# Altium PCB Hardware Fault Injector_RevA.PcbDoc (continued)
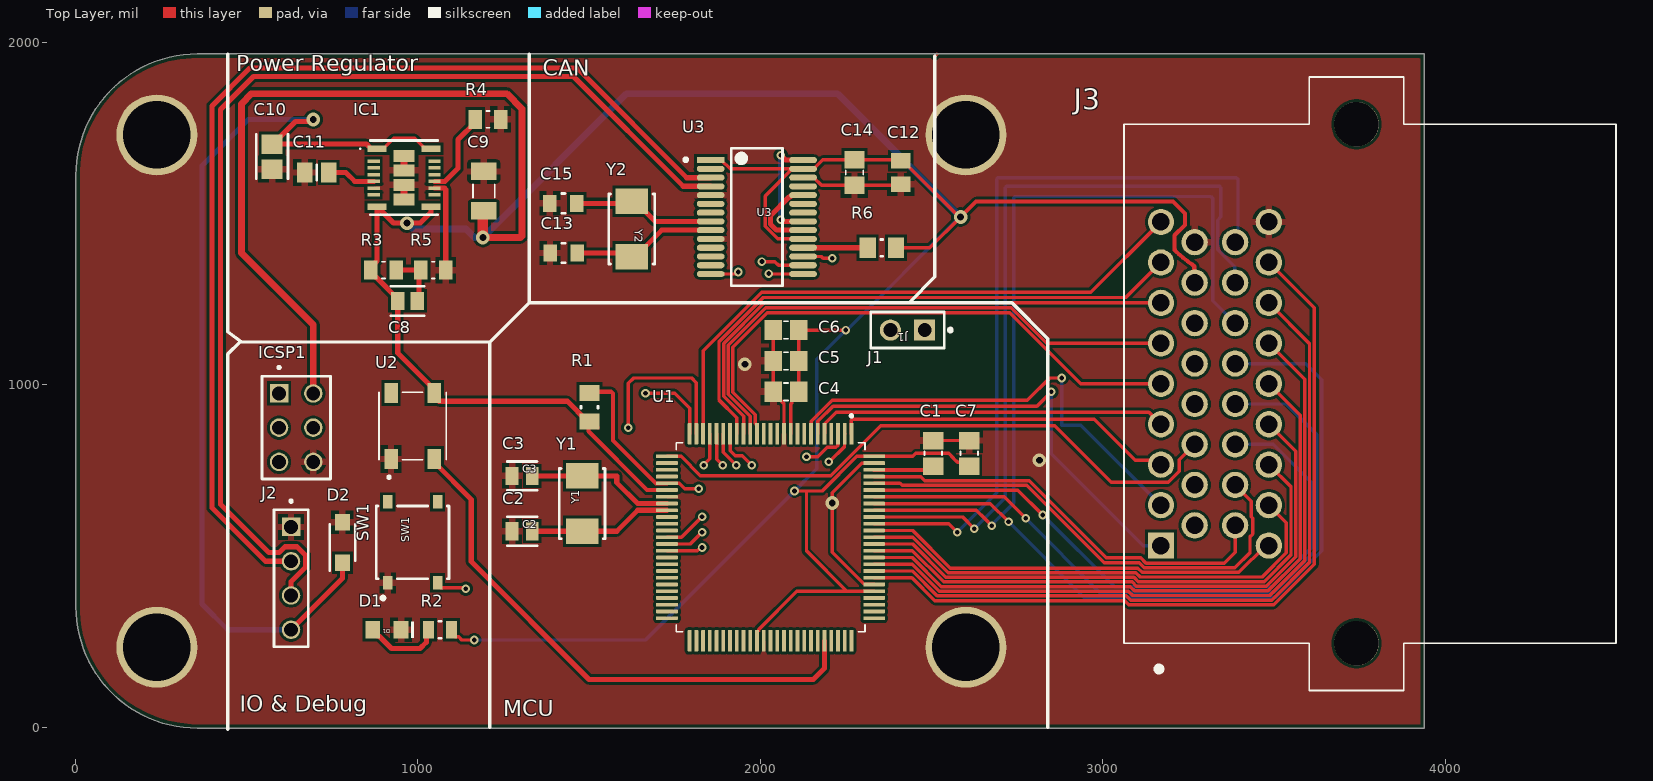
[diagram p0: Top Layer view]
## Part data
C1 C4 C5 C6 C7 C14: library part GCM21BR71H104KA37L, "CAP, MLCC, X7R, 0.1UF, 50V, 0805", Package=None, Availability=Unavailable, MF="{'manufacturer': u'Murata'}", MP=GCM21BR71H104KA37L, Price=None
C2 C3: library part CMP-2007-00448-2, "CAP CER 22PF 100V 5% NP0 0805", Capacitance="22 pF", Manufacturer=KEMET, Manufacturer Part Number=C0805C220J1GACTU, Package=C0805C-DN, Temperature="-55°C to +125°C", Temperature Characteristic=C0G, Temperature Coefficient=30ppm/°C, Temperature Range High=+125°C, Temperature Range Low=-55°C, Tolerance=0.05, Voltage Rating="100 V", Automotive=No, Category=Cap, ComponentLink2Description=Datasheet, ComponentLink2URL=https://content.kemet.com/datasheets/KEM_C1003_C0G_SMD.pdf, Device Class L1="Passive Components", Device Class L2=Capacitors, Device Class L3="Ceramic Capacitors", Digikey Description="CAP CER 22PF 100V 5% NP0 0805", Height=0.88mm, Ipc Land Pattern Name=CAPC200125X78, Lead Free=Yes, Material=Ceramic, Mouser Description="Multilayer Ceramic Capacitor, C Series, 22 Pf, - 5%, C0g / Np0, 100 V, 0805 [2012 Metric] Rohs Compliant: Yes", Octopart=https://octopart.com/c0805c220j1gactu-kemet-3791395, RoHS=TRUE
C8: library part CMP-2007-03761-2, "Ceramic Capacitor 8.2pF ±0.25pF 250VDC C0G 0805 Paper T/R", Capacitance=8.2pF, Case Code (Imperial)=0805, Case Code (Metric)=2012, Dielectric=C0G, Max Operating Temperature=125°C, Min Operating Temperature=-55°C, Package Quantity=1, Voltage Rating=250V, Case/Package=0805, Depth=1.25mm, Height=0.85mm, Length=2mm, Mount="Surface Mount", Packaging="Tape and Reel", Radiation Hardening=No, Termination=SMD/SMT, Thickness=0.039inch, Voltage Rating (DC)=250V, Width=0.049inch
C9: library part GRM31CR61E476ME44K, Package=None, Availability=Unavailable, MF="{'manufacturer': u'Murata Electronics'}", MP=GRM31CR61E476ME44K, Price=None
C10: library part CMP-06035-004402-1, "Chip Multilayer Ceramic Capacitors for General Purpose, 0805, 10uF, X5R, 15%, 10%, 50V", Capacitance=10uF, Dielectric=X5R, Tolerance=10%, Voltage Rating (DC)=50V, Length=2mm, Thickness=1.25mm, Width=1.25mm
C11: library part CL21B105KBFNNNE, "Capacitor: ceramic; MLCC; 1uF; 50V; X7R; Â±10%; SMD; 0805", Package=None, Availability=Unavailable, MF="{'manufacturer': u'Samsung Electro-Mechanics'}", MP=CL21B105KBFNNNE, Price=None
C12: library part C0805C103F5GACTU, "CAP CER 10000PF 50V C0G/NP0 0805", Package=None, Availability=Unavailable, MF="{'manufacturer': u'KEMET'}", MP=C0805C103F5GACTU, Price=None
C13 C15: library part CMP-2007-04505-2, "General Purpose Ceramic Capacitor, 0805, 27pF, 5%, C0G, 30ppm/°C, 50V", Case Code (Imperial)=0805, Case Code (Metric)=2012, Dielectric=C0G, Dielectric Material=Ceramic, Max Operating Temperature=125°C, Min Operating Temperature=-55°C, Package Quantity=1, Tolerance=5%, Voltage=50V, Capacitance=27pF, Case/Package=0805, Construction=Flat, Contact Plating=Tin, Depth=1.25mm, Height=0.71mm, Lead Free="Lead Free", Length=2.01mm, Mount="Surface Mount", Number of Pins=2, Packaging="Tape and Reel", Radiation Hardening=No, REACH SVHC="No SVHC", RoHS Compliant=Yes, Series=-, Termination=SMD/SMT, Thickness=0.037inch, Voltage Rating=50V, Voltage Rating (DC)=50V, Width=0.049inch
D1: library part CMP-1426-00007-3, "WURTH ELEKTRONIK - 150080GS75000 - LED, Green, SMD, 0805, 30 mA, 3.2 V, 520 nm", Case Code (Imperial)=0805, Case Code (Metric)=2012, Color=Green, Forward Current=100mA, Forward Voltage=3.2V, Max Junction Temperature (Tj)=95°C, Max Operating Temperature=85°C, Max Reverse Voltage (DC)=5V, Min Operating Temperature=-40°C, Power Dissipation=105mW, Test Current=20mA, Case/Package=0805, Dominant Wavelength=525nm, Height=700µm, Length=2mm, Lens Style="Clear, Rectangular", Luminous Intensity=450mcd, Mount="Surface Mount", Packaging="Tape and Reel", Peak Wavelength=515nm, REACH SVHC=Unknown, Reverse Voltage=5V, RoHS=Compliant, Viewing Angle=140°, Wavelength=525nm, Width=1.25mm
D2: "TVS Diode (Uni-directional)", Manufacturer_Name=LITTELFUSE, Mouser Part Number=576-SMF4L14AT1G, Datasheet Link=https://www.littelfuse.com/media?resourcetype=datasheets&itemid=f093622a-2591-4e70-85e6-32321d2f8c5a&filename=tvs-diode-smf4l-t1g-datasheet, Height=0.98mm, Manufacturer_Part_Number=SMF4L14AT1G, Mouser Price/Stock=https://www.mouser.co.uk/ProductDetail/Littelfuse/SMF4L14AT1G?qs=OcgtsXO%252B3gvCCebw4hBNNg%3D%3D
IC1: "Integrated Circuit", Manufacturer_Name="Texas Instruments", Mouser Part Number=595-TLVM13640RDLR, Arrow Part Number=TLVM13640RDLR, Arrow Price/Stock=null?utm_currency=USD&region=nac, Datasheet Link=https://www.ti.com/lit/ds/symlink/tlvm13640.pdf?ts=1714956193865, Height=4.1mm, Manufacturer_Part_Number=TLVM13640RDLR, Mouser Price/Stock=https://www.mouser.co.uk/ProductDetail/Texas-Instruments/TLVM13640RDLR?qs=t7xnP681wgVr%2F1xCMRui%2FQ%3D%3D
ICSP1 U1 U2: Package=None, Availability=Unavailable, Price=None
  ICSP1: MF="{'manufacturer': u'Samtec'}", MP=TSW-103-07-F-D
  U1: MF="{'manufacturer': u'Microchip Technology'}", MP=ATmega2560-16AU
  U2: MF="{'manufacturer': u'Feztek'}", MP=FZ2812-5050
J1: library part CMP-02766-001458-1, "CONN HEADER VERT 2POS 2.54MM", Color=Black, Flammability Rating="UL94 V-0", Max Current Rating=7.6A, Max Operating Temperature=125°C, Max Voltage Rating (AC)=550V, Min Operating Temperature=-55°C, Package Quantity=1, Connector Type=Header, Contact Finish - Mating=GOLD, Contact Material=Bronze, Contact Mating Length=0.23inch, Contact Plating=Gold, Contact Shape=Square, Contact Type="Male Pin", Depth=2.54mm, Fastening Type=Pull, Gender=Male, Housing Color=Black, Housing Material=Polyester, Insulation Color=Black, Insulation Material=PBT, Length=5.08mm, Mount="Through Hole", Number of Contacts=2, Number of Positions=2, Number of Rows=1, Orientation=Straight, Packaging=Bulk, Pitch=2.54mm, Radiation Hardening=No, REACH SVHC="No SVHC", RoHS Compliant=Yes, Series=TSW, Termination=Solder
J2: library part TSW-104-07-F-S, Package=None, Availability=Unavailable, MF="{'manufacturer': u'Samtec'}", MP=TSW-104-07-F-S, Price=None
J3: "34 Position 4 Row Right Angle Receptacle Through Hole Super Seal Cap Assy", Package=None, Availability=Unavailable, MF="{'manufacturer': u'TE Connectivity'}", MP=6437288-1, Price=None
R1 R6: library part CMP-2001-04908-2, "RES Thick Film, 10kΩ, 1%, 0.125W, 100ppm/°C, 0805", Case Code (Imperial)=0805, Case Code (Metric)=2012, Max Operating Temperature=155°C, Min Operating Temperature=-55°C, Package Quantity=5000, Power Rating=125mW, Resistance=10kR, Temperature Coefficient=100ppm/°C, Tolerance=1%, Voltage Rating=150V, Case/Package=0805, Composition="Thick Film", Contact Plating=Tin, Depth=1.25mm, Height=0.45mm, Lead Free="Lead Free", Length=2mm, Military Standard=Not, Packaging="Tape and Reel", Radiation Hardening=No, Termination=SMD/SMT, Voltage Rating (DC)=150V, Weight=0.000194oz, Width=1.25mm
R2: library part CMP-02407-007854-1, "RES Thick Film, 120Ω, 1%, 0.125W, 100ppm/°C, 0805", Case Code (Imperial)=0805, Case Code (Metric)=2012, Max Operating Temperature=155°C, Max Power Dissipation=125mW, Min Operating Temperature=-55°C, Package Quantity=10, Temperature Coefficient=100ppm/°C, Tolerance=1%, Voltage Rating=150V, Case/Package=0805, Composition="Thick Film", Contact Plating=Tin, Depth=1.25mm, Features="Automotive AEC-Q200", Height=0.45mm, Lead Free="Lead Free", Length=2mm, Military Standard=Not, Mount="Surface Mount", Number of Terminations=2, Packaging="Tape and Reel", Power Rating=125mW, Radiation Hardening=No, Resistance=120R, Termination=SMD/SMT, Voltage Rating (DC)=150V, Weight=0.000194oz, Width=1.25mm
R3: library part 0805W8F4022T5E, Package=None, Availability=Unavailable, MF="{'manufacturer': u'Uni-Royal'}", MP=0805W8F4022T5E, Price=None
R4: library part 0805W8F1212T5E, Package=None, Availability=Unavailable, MF="{'manufacturer': u'Uni-Royal'}", MP=0805W8F1212T5E, Price=None
R5: library part 0805W8F1002T5E, Package=None, Availability=Unavailable, MF="{'manufacturer': u'Uni-Royal'}", MP=0805W8F1002T5E, Price=None
SW1: library part CMP-10040-000013-1, "TACT 5.2 X 5.2, 1.5 MM H, 260GF,", Contact Current Rating=50mA, Contact Resistance=100mΩ, Manufacturer=C&K, Operating Force=250gf, Temperature="-20°C to +70°C", Temperature Range High=+70°C, Temperature Range Low=-20°C, Voltage Rating Dc=12V, Automotive=No, Category=Switch, ComponentLink2Description=Datasheet, ComponentLink2URL=https://www.ckswitches.com/media/2780/pts526.pdf, Device Class L1=Electromechanical, Device Class L2=Switches, Device Class L3="Tactile Switches", Digikey Description="TACT 5.2 X 5.2, 1.5 MM H, 260GF,", Electromechanical Life=200000Cycles, Height=1.65mm, Lead Free=Yes, Manufacturer Part Number=PTS526SK15SMTR2LFS, Octopart=https://octopart.com/pts526+sk15+smtr2+lfs-c%26k+components-100617999, Package=PTS526SK15SMTR2LFS, RoHS=TRUE, Standoff Height=0mm, Throw Configuration=SPST-NO
U3: library part CMP-06279-000016-1, "IC TRANSCEIVER 1/1 28SSOP", Case/Package=SSOP, Max Operating Temperature=125°C, Max Supply Voltage=5.5V, Min Operating Temperature=-40°C, Min Supply Voltage=4.5V, Operating Supply Current=70mA, Package Quantity=2100, Data Rate=1Mbps, Interface=SPI, Mount="Surface Mount", Number of Drivers=1, Number of Pins=28, Number of Receivers=1, Number of Transceivers=1, Packaging="Tape and Reel", Propagation Delay=125ns, Receiver Hysteresis=200mV, RoHS Compliant=Yes, Weight=0.080001oz
Y1: library part CMP-27762-004490-1, "Crystal 16MHz ±20ppm 18pF SMD-2 5mm x 3.2mm", Case/Package=SMD/SMT, ESR (Equivalent Series Resistance)=40R, Frequency=16MHz, Frequency Stability=30ppm, Frequency Tolerance=20ppm, Load Capacitance=18pF, Max Operating Temperature=85°C, Min Operating Temperature=-40°C, Operating Frequency="16 MHz", Package Quantity=1000, Resistor Type=Ceramic, Height=0.051inch, Lead Free="Lead Free", Length=0.197inch, Mount="Surface Mount", Number of Pins=2, Packaging="Tape and Reel", RoHS Compliant=Yes, Series=ABM3, Series Resistance=40R, Termination=SMD/SMT, Tolerance=20ppm, Width=0.126inch
Y2: library part CMP-2000-05033-2, "Crystal 8MHz ±20ppm 18pF SMD-2 5mm x 3.2mm", Case/Package=CSMD, ESR (Equivalent Series Resistance)=140R, Frequency=8MHz, Frequency Stability=30ppm, Frequency Tolerance=20ppm, Load Capacitance=18pF, Max Operating Temperature=85°C, Min Operating Temperature=-40°C, Package Quantity=1000, Resistor Type=Ceramic, Series Resistance=500R, Depth=3.2mm, Height=0.051inch, Lead Free="Lead Free", Length=5mm, Mount="Surface Mount", Number of Pins=2, Packaging="Tape and Reel", Radiation Hardening=No, RoHS Compliant=Yes, Termination=SMD/SMT, Tolerance=20ppm, Width=3.2mm

## Free pads (board coordinates)
  round 236.22 hole 196.85: 1(238.17,233.77) 1(238.17,1729.83) 1(2600.37,233.77) 1(2600.37,1729.83)

## Via types
v1: diameter 25, hole 13.5, Top Layer to Bottom Layer, 30 vias
v2: diameter 40, hole 20, Top Layer to Bottom Layer, 7 vias

## Nets (pads, with @x,y where several pads share a name; then routed paths per layer and width w, separated by ;. In a path a pad name is that pad's centre, name@x,y a point inside that pad or via, vN(x,y) a via of type N, cw(c..) or ccw(c..) an arc to the next point about the centre after c; other vN are vias at no path point)
+5: C4.1 C5.1 C6.1 C7.1 C8.1 C9.2 C12.1 C14.1 IC1.8 IC1.9 ICSP1.02 J3.16 R1.1 R2.2 R3.2 R6.2 U1.10 U1.31 U1.61 U1.80 U1.100 U2.3 U3.1 U3.19 U3.27 | length 12282.2
  Top Layer w10: U2.3@1047.99,986.3 U2.3 1047.99,966.61 U2.3@1062.68,951.93 ; R2.2 1098.5,275.12 1109.37,264.25 1119.25,264.25 1128.5,255 v1(1165,255) ; C9.2@1190,1505.22 C9.2 ; R1.1@1495.55,893.18 R1.1 1507.43,893.18 R1.1@1526.18,874.43 ; U3.1 1886.61,1656.34 1912.2,1630.75 U3.27@2093.39,1630.75 ; U1.61 1990.63,278.62 1996.3,284.29 1996.3,286.85 2106.97,397.52 2252.48,397.52 ; U1.10 2089.06,944.06 2091.88,946.88 2091.88,959.48 C4.1 C5.1 C6.1 v1(2250,1160) ; v1(2100,690) 2135,690 ; U3.19 2050.54,1426.02 2014,1462.56 2014,1551.35 U3.27@2093.39,1630.75 ; U1.80 2296.32,397.52 2292.37,397.52 2252.48,397.52 ; R6.2 2495,1400 v2(2585,1490) 2580.55,1490 2416.1,1654.45 C12.1 2407.05,1657.4 C14.1 2182.96,1657.4 2156.3,1630.75 U3.27 U3.27@2093.39,1630.75 ; C7.1 2598.69,773.91 2575.93,773.91 2565,784.83 2565,785 2550,800 2454.5,800 2445.72,791.22 2281.77,791.22 2180.55,690 2135,690 ; J3.16@3267.2,1299.65 J3.16 ; 2135,690 2135,515 2252.48,397.52
  Top Layer w12: R1.1@1498.18,889.86 1498.18,864.47 1669.85,692.8 U1.31 ; v2(2585,1490) 2630,1535 3205,1535 3240,1500 3240,1466.77 3210,1436.77 3210,1396.6 3210,1396.53 ccw(c3217.75,1396.6) 3212.24,1391.15 ccw(c3438.53,1621.86) 3259.62,1352.74 3262.66,1350.72 3267.2,1346.18 J3.16@3267.2,1299.65
  Top Layer w15: IC1.9 1038.74,1503.74 1007.2,1472.2 v2(968.31,1472.2) 929.41,1472.2 IC1.8 881.26,1361.34 863.19,1343.27 R3.2 863.19,1326.73 875.37,1314.55 877.82,1314.55 941.41,1250.95 C8.1 941.41,1092.88 U2.3@1047.99,986.3 ; U2.3@1062.68,951.93 1436.8,951.93 R1.1@1495.55,893.18
  Top Layer w20: ICSP1.02 695,1175 485,1385 485,1820 515,1850 1260,1850 1303.95,1806.05 1303.95,1433.95 1300,1430 v2(1190,1430)
  Top Layer w30: v2(1190,1430) C9.2@1190,1505.22
  Bottom Layer w10: v1(1165,255) 1665,255 v1(2100,690) 2165,755 2165,1075 v1(2250,1160) 2252.5,1160 2582.5,1490 v2(2585,1490)
  Bottom Layer w20: v2(968.31,1472.2) 985.51,1455 1140.34,1455 1165.34,1430 v2(1190,1430) 1610,1850 2225,1850 v2(2585,1490)
ADC_A0: J3.18 U1.97 | length 1250.4
  Top Layer w10: U1.97 2468.29,732.17 2480.66,719.8 2785.2,719.8 3010,495 3110.73,495 3126.32,479.41 3354.41,479.41 3386.57,511.57 J3.18
ADC_A1: J3.19 U1.96 | length 1440.3
  Top Layer w10: U1.96 2407.98,712.48 2414.16,706.3 2778.7,706.3 3005,480 3106.64,480 3120.73,465.91 3385.91,465.91 3430,510 3430,556.56 3437.83,564.4 3437.83,610.96 3433.74,615.05 3433.74,660.67 J3.19
ADC_A2: J3.20 U1.95 | length 1901.4
  Top Layer w10: U1.95 2752.2,692.8 v1(2825,620)
  Bottom Layer w10: v1(2825,620) 3035,410 3495,410 3610,525 3610,714.38 3498.44,825.94 J3.20
ADC_A3: J3.21 U1.94 | length 2069.9
  Top Layer w10: U1.94 2711.89,673.11 v1(2775,610)
  Bottom Layer w10: v1(2775,610) 2990,395 3500,395 3625,520 3625,855 3535.94,944.06 J3.21
ADC_A4: J3.22 U1.93 | length 2249.8
  Top Layer w10: U1.93 2671.57,653.43 v1(2725,600)
  Bottom Layer w10: v1(2725,600) 2945,380 3505,380 3640,515 3640,1015 3592.83,1062.17 J3.22
ADC_A5: J3.23 U1.92 | length 2322.6
  Top Layer w10: U1.92 2631.26,633.74 2656.69,608.31 v1(2676.14,588.86)
  Bottom Layer w10: v1(2676.14,588.86) 2676.14,591.14 2740,655 2740,1546.05 2743.95,1550 3316.05,1550 3321.81,1544.23 3321.81,1245.04 J3.23
ADC_A6: J3.24 U1.91 | length 2276.2
  Top Layer w10: U1.91 2590.94,614.06 v1(2625,580)
  Bottom Layer w10: v1(2625,580) 2715,670 2715,1576.05 2718.95,1580 3341.05,1580 3345,1576.05 3345,1490.5 3335.31,1480.81 3335.31,1395.26 3385.31,1345.27 3385.31,1299.65 J3.24
ADC_A7: J3.25 U1.90 | length 2227.1
  Top Layer w10: U1.90 2550.63,594.37 v1(2575,570)
  Bottom Layer w10: v1(2575,570) 2690,685 2690,1601.05 2693.95,1605 3390,1605 3395,1600 3395,1424.92 J3.25
ADC_A8: J3.26 U1.89 | length 1235.7
  Top Layer w10: U1.89 2445.32,574.68 2555,465 3102.55,465 3115.14,452.41 3397.41,452.41 3475.67,530.67 J3.26
ADC_A9: J3.27 U1.88 | length 1441.8
  Top Layer w10: U1.88 2445,555 2548.5,451.5 3096.96,451.5 3109.55,438.91 3465.73,438.91 3536.26,509.44 3536.26,597.52 J3.27
ADC_A10: J3.28 U1.87 | length 1585.3
  Top Layer w10: U1.87 2444.69,535.31 2542,438 3091.36,438 3103.95,425.41 3471.32,425.41 3549.76,503.85 3549.76,702.13 J3.28
ADC_A11: J3.29 U1.86 | length 1728.8
  Top Layer w10: U1.86 2444.37,515.63 2535.5,424.5 3085.77,424.5 3098.36,411.91 3476.92,411.91 3563.26,498.25 3563.26,806.74 J3.29
ADC_A12: J3.30 U1.85 | length 1872.3
  Top Layer w10: U1.85 2444.06,495.94 2529,411 3080.18,411 3092.77,398.41 3482.51,398.41 3576.76,492.66 3576.76,911.35 J3.30
ADC_A13: J3.31 U1.84 | length 2015.8
  Top Layer w10: U1.84 2443.74,476.26 2522.5,397.5 3074.59,397.5 3087.18,384.91 3488.1,384.91 3590.26,487.07 3590.26,1015.96 J3.31
ADC_A14: J3.32 U1.83 | length 2159.3
  Top Layer w10: U1.83 2443.43,456.57 2516,384 3069,384 3081.59,371.41 3493.69,371.41 3603.76,481.48 3603.76,1120.57 J3.32
ADC_A15: J3.33 U1.82 | length 2302.8
  Top Layer w10: U1.82 2443.11,436.89 2510,370 3063.91,370 3076,357.91 3499.28,357.91 3617.26,475.89 3617.26,1225.18 J3.33
CAN_CS: U1.19 U3.17 | length 975.3
  Top Layer w10: U1.19 1911.89,808.11 1927.5,792.5 1946.99,792.5 v1(1974.62,764.87) ; U3.17 2178.34,1374.84 2183.18,1370 v1(2210,1370)
  GND2 w10: v1(1974.62,764.87) 1990,780.24 1990,1200 2085,1295 2180,1295 2210,1325 v1(2210,1370)
CAN_N: J2.02 U3.3 | length 3103.8
  Top Layer w15: J2.02 555,485 413.48,626.52 398.83,641.17 398.83,1814.19 509.64,1925 1465.36,1925 1472.68,1917.68 1785.49,1604.86 1854.86,1604.86 U3.3
CAN_P: J2.03 U3.4 | length 3215.9
  Top Layer w15: J2.03 630,425.12 672.34,467.46 672.34,502.54 647.54,527.34 612.46,527.34 595.12,510 565.36,510 423.83,651.52 423.83,1803.83 520,1900 1455,1900 1775.14,1579.86 1854.86,1579.86 U3.4
CAN_RX: U3.21 U3.28 | length 325.6
  Top Layer w15: v1(2060,1481.61) 2062.71,1481.61 2067.12,1477.2 U3.21 ; v1(2060,1670) 2073.66,1656.34 U3.28
  Bottom Layer w15: v1(2060,1481.61) v1(2060,1670)
CAN_TX: U3.20 U3.24 | length 246.7
  Top Layer w15: U3.20 2047.57,1451.61 2030,1469.19 2030,1477.56 2030,1494.04 2084.3,1548.34 2086.97,1548.34 2092.61,1553.98 U3.24
DEBUG_DATA: U1.71 U2.2 | length 1611.9
  Top Layer w15: U2.2 1047.99,773.7 1156.2,665.5 1156.2,483.8 1500,140 2155,140 2187.48,172.48 U1.71
GND: C1.1 C2.1 C3.1 C4.2 C5.2 C6.2 C7.2 C9.1 C10.2 C11.2 C12.2 C13.2 C14.2 C15.2 D1.1 D2.2 IC1.6 IC1.11 IC1.17 IC1.18 IC1.19 IC1.20 ICSP1.06 J2.01 J3.17 J3.34 pad.1 R4.1 R5.1 SW1.1 U1.11 U1.32 U1.62 U1.81 U1.99 U2.1 U3.5 U3.10 U3.26 | length 1570
  Top Layer w10: v2(1955,1060) v2@1958.5,1063.5 ; C6.2 C5.2 C4.2 2037.6,976.06 2069.37,944.29 U1.11 ; U3.26 2156.3,1605.16 2178.86,1582.6 C14.2 2407.05,1582.6 C12.2 ; U1.81 2331.85,417.72 2303.31,417.72 2210,511.03 v2(2210,655) 2210,685.22 2296.32,771.54 U1.99 ; C1.1 C7.2
  Top Layer w15: IC1.11 1077.86,1574.49 1081.81,1570.53 R5.1
  Top Layer w20: IC1.20 IC1.19 ; IC1.18 IC1.17
  other v2: 2815,780
MISO: ICSP1.01 U1.22 U3.16 | length 2295.7
  Top Layer w10: v1(1835,765) 1835,767.13 1852.32,784.45 1852.32,856.85 U1.22 ; v1(2005,1360) 2042.55,1360 2053.3,1349.25 U3.16
  GND1 w10: ICSP1.01 638.65,975 678.5,1014.84 1664.05,1014.84 1835,843.89 v1(1835,765)
  GND2 w10: v1(1835,765) 1835,1190 v1(2005,1360)
MOSI: ICSP1.04 U1.21 U3.15 | length 2079.3
  Top Layer w10: U1.21 1872.52,782.48 v1(1890,765) ; v1(2025,1325) 2026.34,1323.66 U3.15
  GND1 w10: ICSP1.04 1576.11,875 1612.61,838.5 1722.61,838.5 1823.61,737.5 1862.5,737.5 v1(1890,765)
  GND2 w10: v1(1890,765) 1890,1190 v1(2025,1325)
NetC1_2: C1.2 U1.98 | length 177.1
  Top Layer w10: C1.2@2494.25,751.85 C1.2
  Top Layer w12: U1.98 C1.2@2494.25,751.85
NetC2_2: C2.2 U1.34 Y1.1 | length 418.4
  Top Layer w15: C2.2 Y1.1 1581.18,572.72 1642.2,633.74 U1.34
NetC3_2: C3.2 U1.33 Y1.2 | length 438.1
  Top Layer w15: C3.2 Y1.2 1581.18,734.13 1581.18,714.45 1642.2,653.43 U1.33
NetC8_2: C8.2 R3.1 R5.2 | length 165.4
  Top Layer w15: R3.1 R5.2 1003.39,1330.2 1003.39,1249.8 C8.2
NetC11_1: C11.1 IC1.5 | length 141.7
  Top Layer w15: C11.1 790,1620 815.83,1594.17 IC1.5
NetC13_1: C13.1 U3.9 Y2.2 | length 426.6
  Top Layer w15: C13.1 1614.29,1385 Y2.2 1634.84,1374.29 1712.17,1451.61 U3.9
NetC15_1: C15.1 U3.8 Y2.1 | length 417.4
  Top Layer w15: C15.1 1619.29,1530 Y2.1 1634.84,1535.71 1693.35,1477.2 U3.8
NetD1_2: D1.2 R2.1 | length 228.4
  Top Layer w15: D1.2 868.66,281.06 882.82,266.91 886.75,266.91 923.66,230 1006.75,230 1025,248.25 1025,278.5 R2.1
NetIC1_12: IC1.12 R4.2 | length 248.5
  Top Layer w15: IC1.12 1079.58,1594.17 1117.79,1632.38 1117.79,1716.34 1168.19,1766.73 R4.2
NetR6_1: R6.1 U3.18 | length 189
  Top Layer w15: U3.18 2313.19,1400.43 R6.1
Power_In: C10.1 D2.1 IC1.1 IC1.16 J2.04 | length 2851.7
  Top Layer w10: C10.1 C10.1@577,1702.9 ; v2@689.26,1769.26 v2(695,1775) ; IC1.1 898.98,1689.65 929.33,1720 990.67,1720 1005.17,1705.5 ; 1005.59,1705.08 1021.02,1689.65 IC1.16
  Top Layer w15: J2.04 780,435 D2.1 ; v2@689.26,1769.26 643.36,1769.26 577,1702.9 850.29,1702.9 863.54,1689.65 IC1.1
  Bottom Layer w15: J2.04 445,285 370,360 370,1640 505,1775 v2(695,1775)
PWM_D2: J3.1 U1.6 | length 1366.1
  Top Layer w10: U1.6 2167.8,893.4 2212.45,938.05 2808.05,938.05 v1(2850,980)
  Bottom Layer w10: v1(2850,980) 2850,799.36 3118.69,530.67 J3.1
PWM_D3: J3.2 U1.7 | length 1344.3
  Top Layer w10: U1.7 2148.62,857.87 2148.62,893.32 2210.3,955 2780,955 2845,1020 v1(2880,1020)
  Bottom Layer w10: v1(2880,1020) 2880,882.56 2936.26,882.56 J3.2
PWM_D4: J3.3 U1.1 | length 999.3
  Top Layer w10: U1.1 2266.22,896.05 2270.17,900 2975,900 3095.33,779.67 3157.26,779.67 J3.3
PWM_D5: J3.4 U1.5 | length 1039.6
  Top Layer w10: U1.5 2187.99,857.87 2187.99,886.41 2221.46,919.88 3135.16,919.88 J3.4
PWM_D6: J3.5 U1.15 | length 1659.5
  Top Layer w10: U1.15 1990.63,883.35 1990.12,883.86 1988.91,883.86 1984.96,887.81 1984.96,913.23 1920,978.18 1920,1109.54 2020.46,1210 2728.89,1210 2935.78,1003.11 J3.5
PWM_D7: J3.6 U1.16 | length 1636.5
  Top Layer w10: U1.16 1970.43,857.87 1970.43,908.66 1906.5,972.59 1906.5,1115.13 2016.37,1225 2732.98,1225 2836.76,1121.22 J3.6
PWM_D8: J3.7 U1.17 | length 1613.7
  Top Layer w10: U1.17 1951.26,908.74 1893,967 1893,1120.72 2011.61,1239.33 J3.7
PWM_D9: J3.8 U1.18 | length 1676.8
  Top Layer w10: U1.18 1931.57,903.6 1879.5,955.68 1879.5,1126.32 2008.18,1255 3067.6,1255 J3.8
PWM_D10: J3.9 U1.23 | length 1734.5
  Top Layer w10: U1.23 1833.15,1099.06 2004.09,1270 2964.49,1270 J3.9
PWM_D11: J3.10 U1.24 | length 2584.3
  Top Layer w10: v1(1615,875) 1615,1005 1630,1020 1800,1020 1813.46,1006.54 U1.24
  GND2 w10: v1(1615,875) 1615,500 1650,465 2870,465 2995,590 3268.19,590 J3.10
PWM_D12: J3.11 U1.25 | length 2390.7
  Top Layer w10: v1(1665,975) 1750,975 1793.78,931.22 U1.25
  GND2 w10: v1(1665,975) 1665,505 1680,490 2855,490 3072.83,707.83 J3.11
PWM_D13: J3.12 U1.26 | length 1757.4
  Top Layer w10: U1.26 1768.78,791.22 1825,735 2206.46,735 2351.46,880 2860,880 3024.37,715.63 3191.27,715.63 3223.48,747.84 3223.48,780.96 J3.12
PWM_D44: J3.13 U1.40 | length 1737.7
  Top Layer w10: U1.40 1816.57,515.63 1825.94,525 v1(1830,525)
  GND2 w10: v1(1830,525) 2768.89,525 3062.04,818.15 3175.68,818.15 3223.48,865.95 3223.48,899.07 J3.13
PWM_D45: J3.14 U1.39 | length 1778.5
  Top Layer w10: U1.39 1795.31,535.31 v1(1830,570)
  GND2 w10: v1(1830,570) 2515,570 2890,945 3184.42,945 3255.69,1016.27 3255.69,1049.39 J3.14
PWM_D46: J3.15 U1.38 | length 1819.2
  Top Layer w10: U1.38 1770,555 v1(1830,615)
  GND2 w10: v1(1830,615) 2523.89,615 2963.26,1054.37 3175.68,1054.37 3255.69,1134.38 3255.69,1167.5 J3.15
RESET: ICSP1.05 R1.2 SW1.3 U1.30 | length 2139.6
  Top Layer w10: SW1.3 1057.83,415.98 1066.61,407.2 1137.8,407.2 v1(1140,405) ; U1.30 1763.68,712.48 1779.66,696.5 v1(1820,696.5)
  Top Layer w12: R1.2@1505.57,980 1564.58,980 1570,974.58 1570,837.63 1695.15,712.48 U1.30
  Top Layer w15: R1.2 R1.2@1505.57,980
  GND1 w10: ICSP1.05 690,680 815,680 1090,405 v1(1140,405) 1580,405 1820,645 v1(1820,696.5)
RX0: J1.1 U1.2 | length 621.2
  Top Layer w10: v1(2200,775) 2201.73,775 2246.02,819.3 2246.02,856.85 U1.2
  GND2 w10: v1(2200,775) 2230,775 2480,1025 J1.1
SCK: ICSP1.03 U1.20 U3.14 | length 2374.8
  Top Layer w10: U3.14 1925.71,1323.66 1931.5,1329.45 v1(1935.55,1329.45) ; U1.20 1892.2,802.8 v1(1930,765)
  GND1 w10: ICSP1.03 645,825 1685,825 1786,724 1889,724 v1(1930,765)
  GND2 w10: v1(1930,765) 1902.5,737.5 1823.61,737.5 1807.5,753.61 1807.5,1201.39 v1(1935.55,1329.45)
TX0: J1.2 U1.3 | length 628.8
  Top Layer w10: v1(2135,790) 2168.35,790 2195.71,817.37 2221.05,817.37 2226.34,822.66 2226.34,856.85 U1.3
  GND2 w10: v1(2135,790) 2165,790 2380,1005 J1.2
pads on no net: IC1.2 IC1.3 IC1.4 IC1.7 IC1.10 IC1.13 IC1.14 IC1.15 J3. SW1.2 SW1.4 U1.4 U1.8 U1.9 U1.12 U1.13 U1.14 U1.27 U1.28 U1.29 U1.35 U1.36 U1.37 U1.41 U1.42 U1.43 U1.44 U1.45 U1.46 U1.47 U1.48 U1.49 U1.50 U1.51 U1.52 U1.53 U1.54 U1.55 U1.56 U1.57 U1.58 U1.59 U1.60 U1.63 U1.64 U1.65 U1.66 U1.67 U1.68 U1.69 U1.70 U1.72 U1.73 U1.74 U1.75 U1.76 U1.77 U1.78 U1.79 U2.4 U3.2 U3.6 U3.7 U3.11 U3.12 U3.13 U3.22 U3.23 U3.25
copper on no net: | length 7.1
  Top Layer w10: 2510,1960 2515,1965

## Polygon pours and split planes (outlines as drawn)
GND on GND1 "GND_L02_P001" (solid, remove dead copper, pour order 1): 1.95,351.88 1.95,1611.72 cw(c356.28,1611.72) 356.28,1966.05 4214.55,1966.05 cw(c4214.55,1611.72) 4568.88,1611.72 4568.88,351.88 cw(c4214.55,351.88) 4214.55,-2.45 356.28,-2.45 cw(c356.28,351.88)
GND on Top Layer "GND_L01_P000" (solid, remove dead copper, pour order 0): 1.95,351.88 1.95,1611.72 cw(c356.28,1611.72) 356.28,1966.05 4214.55,1966.05 cw(c4214.55,1611.72) 4568.88,1611.72 4568.88,351.88 cw(c4214.55,351.88) 4214.55,-2.45 356.28,-2.45 cw(c356.28,351.88)
GND on GND2 "GND_L03_P002" (solid, remove dead copper, pour order 2): 1.95,351.88 1.95,1611.72 cw(c356.28,1611.72) 356.28,1966.05 4214.55,1966.05 cw(c4214.55,1611.72) 4568.88,1611.72 4568.88,351.88 cw(c4214.55,351.88) 4214.55,-2.45 356.28,-2.45 cw(c356.28,351.88)
GND on Bottom Layer "GND_L04_P003" (solid, remove dead copper, pour order 3): 1.95,351.88 1.95,1611.72 cw(c356.28,1611.72) 356.28,1966.05 4214.55,1966.05 cw(c4214.55,1611.72) 4568.88,1611.72 4568.88,351.88 cw(c4214.55,351.88) 4214.55,-2.45 356.28,-2.45 cw(c356.28,351.88)

## Silkscreen, mask and mechanical layers (free items; w line width, h text height)
Top Overlay:
  lines w10: 445,-5 445,1090 480,1125 1210,1125 ; 445,1965 445,1155 485,1125 ; 1210,0 1210,1125 ; 1325,1965 1325,1310 1325,1240 ; 2510,1960 2510,1315 2435,1240 ; 2840,0 2840,1135 2735,1240 2455,1240 2435,1240 ; 1210,1125 1325,1240 ; 1325,1240 2435,1240
  text "Power Regulator" at 470,1900.02 h80
  text "CAN" at 1365,1885.89 h80
  text "IO & Debug" at 480,30.02 h80
  text "MCU" at 1250,15.89 h80
Mechanical 1:
  circle w0.5: c238.17,233.77 r98.43
  circle w0.5: c238.17,233.77 r98.43
  circle w0.5: c238.17,1729.83 r98.43
  circle w0.5: c238.17,1729.83 r98.43
  circle w0.5: c238.17,1729.83 r98.43
  lines w0.5: 3938.97,-2.45 3938.97,1966.05 ; 3938.95,-2.34 356.28,-2.45 cw(c356.28,351.88) 1.95,351.88 1.95,1611.72 cw(c356.28,1611.72) 356.28,1966.05 3938.97,1966.16